# Altium PCB PCB_Template.PcbDoc (part 3 of 6)
Units mm, origin at the board's own origin, x right, y up, seen from the top; angles counter-clockwise.
Board outline 93 x 50 mm, 4 copper layers (Top Layer, Int1 (GND), Int2 (PWR), Bottom Layer), stack 1.369 mm thick; 176 components, 236 nets, 978 pads, 657 vias.
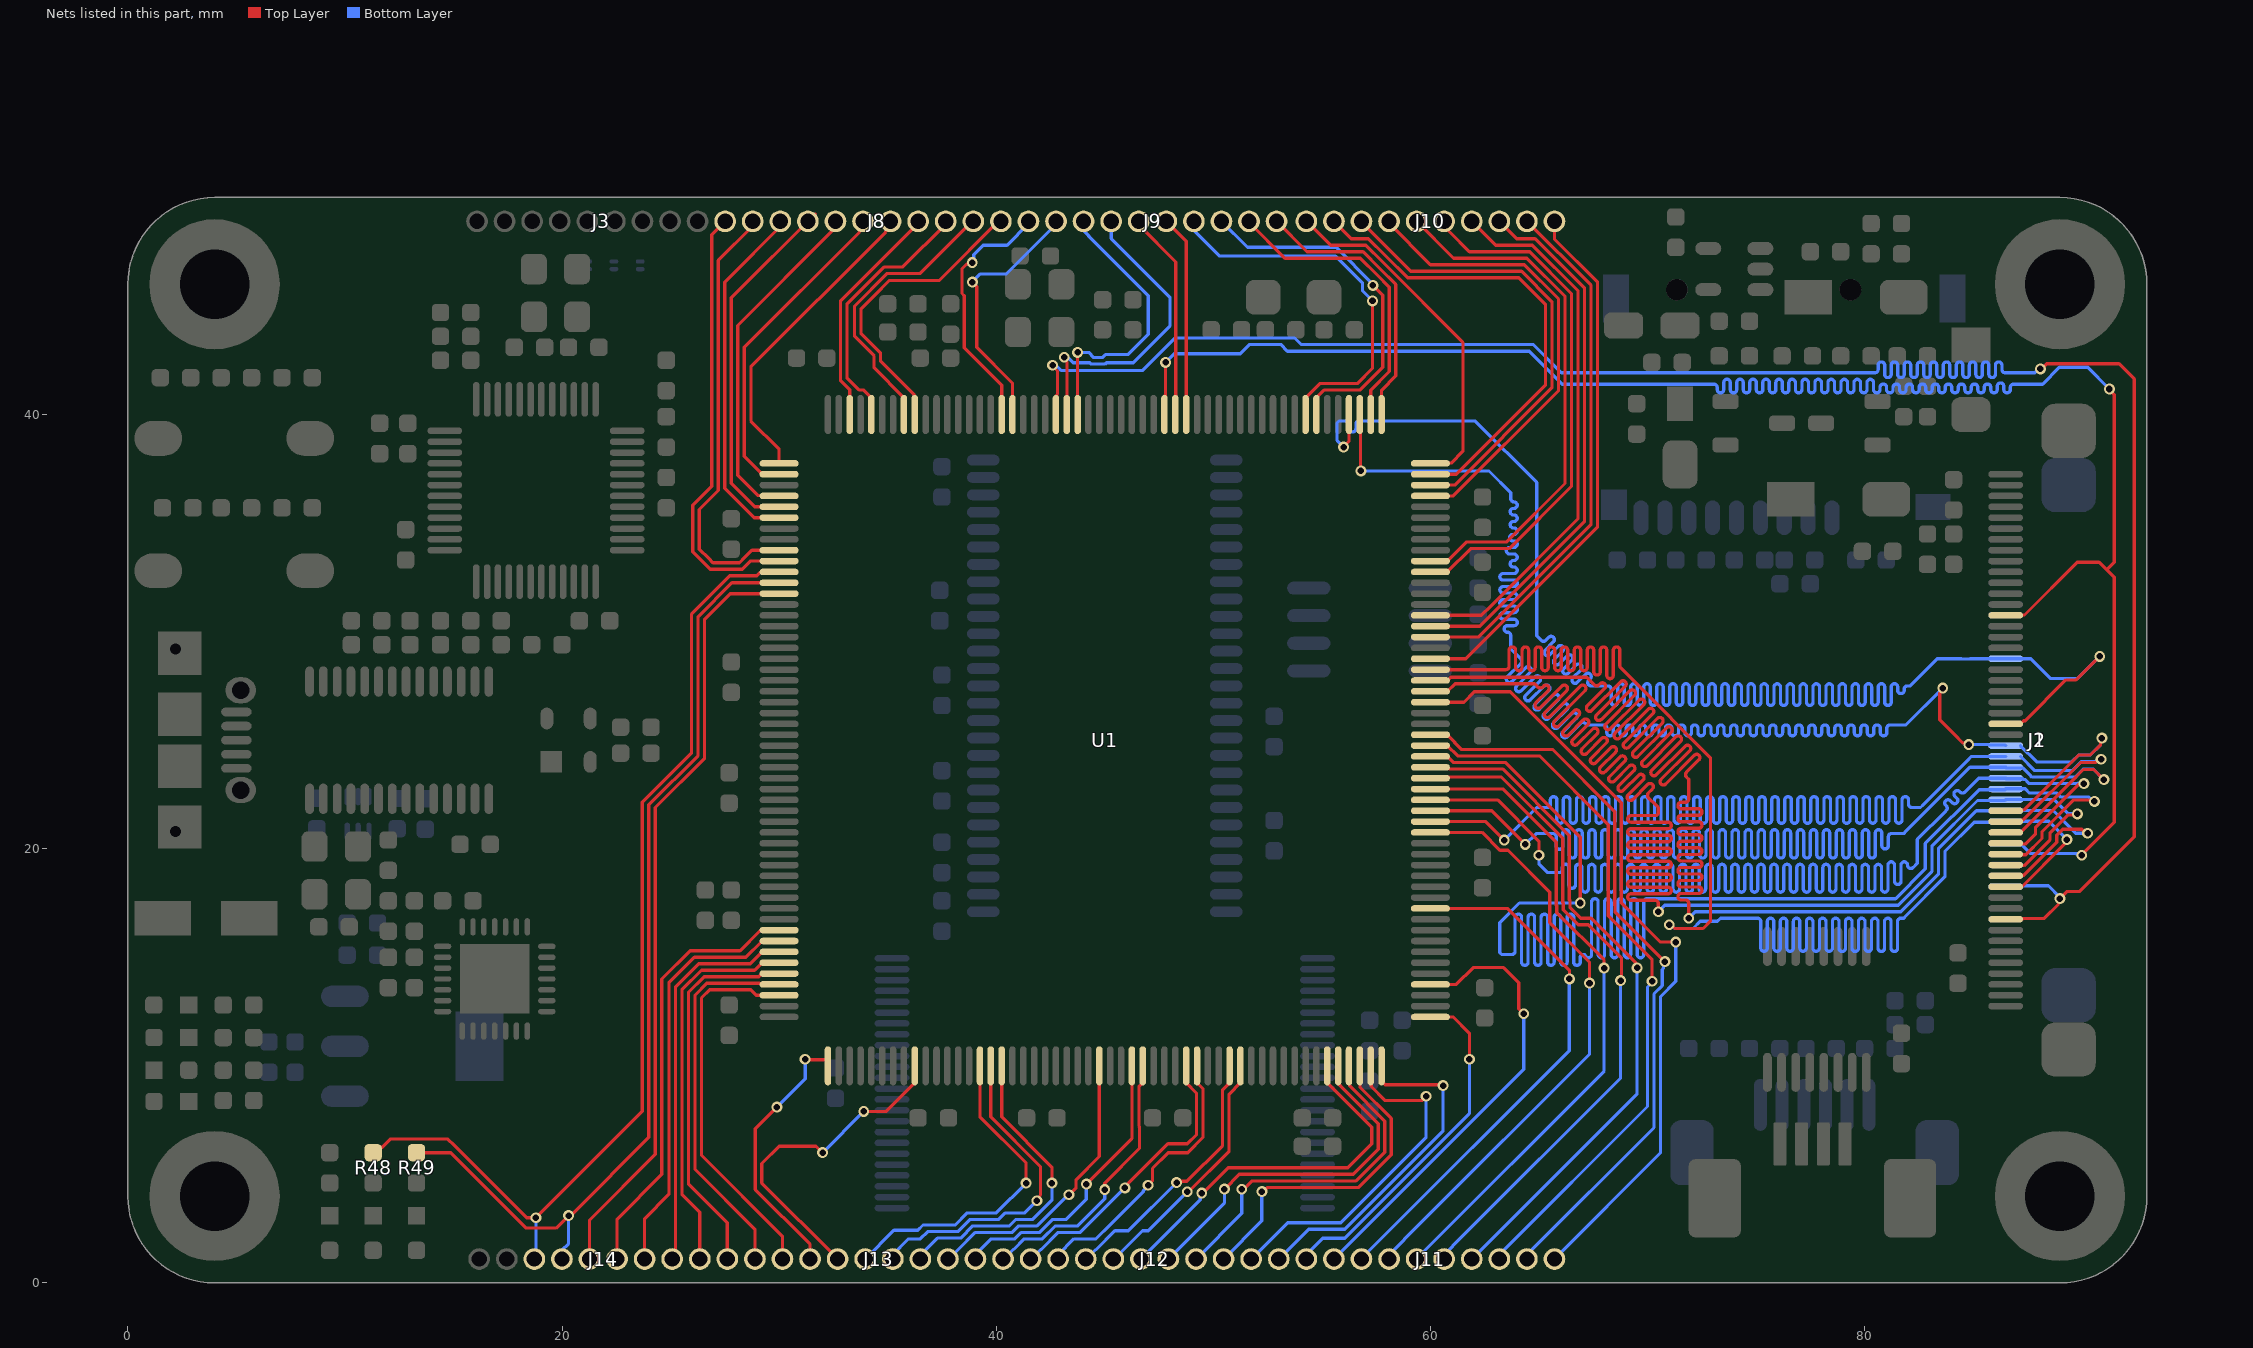
[diagram p5: the nets of this part, all layers, seen from the top]

## Via types
v1: diameter 0.5, hole 0.3, Top Layer to Bottom Layer, tented both sides, 457 vias
v2: diameter 0.5/0.5 (per signal layer), hole 0.3, Top Layer to Bottom Layer, tented both sides, 152 vias
v3: diameter 0.8, hole 0.5, Top Layer to Bottom Layer, 32 vias
v4: diameter 0.7/0.5 (per signal layer), hole 0.5, Top Layer to Bottom Layer, tented both sides, 9 vias
v5: diameter 0.3, hole 0.2, Top Layer to Bottom Layer, tented both sides, 7 vias

## Nets (pads, with @x,y where several pads share a name; then routed paths per layer and width w, separated by ;. In a path a pad name is that pad's centre, name@x,y a point inside that pad or via, vN(x,y) a via of type N, cw(c..) or ccw(c..) an arc to the next point about the centre after c; other vN are vias at no path point) (continued)
HEADER0: J3.10 U1.62 | length 20.3
  Top Layer w0.15: J3.10@27.515,48.9 26.9,48.285 26.9,36.7 26.025,35.825 26.025,33.675 26.825,32.875 28.3,32.875 28.675,33.25 U1.62@30,33.25
HEADER1: J8.1 U1.61 | length 20.3
  Top Layer w0.15: J8.1@28.785,48.9 28.785,48.685 27.2,47.1 27.2,36.5 26.325,35.625 26.325,33.799 26.749,33.375 26.949,33.175 28.176,33.175 28.425,33.424 28.749,33.748 29.999,33.748 U1.61@30,33.75
HEADER2: J8.2 U1.58 | length 16.3
  Top Layer w0.15: U1.58@30,35.25 28.85,35.25 27.5,36.6 27.5,46.1 J8.2@30.178,48.777
HEADER3: J8.3 U1.57 | length 16.7
  Top Layer w0.15: U1.57@30,35.75 28.875,35.75 27.8,36.825 27.8,45.375 J8.3@31.662,49.237
HEADER4: J8.4 U1.56 | length 15.7
  Top Layer w0.15: U1.56@30,36.25 29.985,36.265 29.035,36.265 28.1,37.2 28.1,44.1 32.432,48.432 32.432,48.507 32.593,48.668 J8.4@32.668,48.668
HEADER5: J8.5 U1.54 | length 15
  Top Layer w0.15: U1.54@30,37.25 29.22,37.25 28.4,38.069 28.4,43.1 33.702,48.402 33.702,48.737 J8.5@33.865,48.9
HEADER6: J8.6 U1.53 | length 14.4
  Top Layer w0.15: U1.53@30,37.75 30,38.4 28.7,39.7 28.7,42.2 34.905,48.405 34.905,48.44 35.135,48.67 J8.6@35.135,48.9
HEADER7: J8.7 U1.50 | length 10.6
  Top Layer w0.15: U1.50@33.25,40 33.25,41.15 32.825,41.575 32.825,45.225 36.405,48.805 J8.7@36.405,48.9
HEADER8: J8.8 U1.48 | length 11.9
  Top Layer w0.15: U1.48@34.25,40 34.25,40.78 33.905,41.125 33.699,41.125 33.125,41.699 33.125,45.075 34.85,46.8 35.7,46.8 37.675,48.775 J8.8@37.675,48.9
HEADER9: J8.9 U1.45 | length 13
  Top Layer w0.15: U1.45@35.75,40 35.75,40.78 34.375,42.155 34.375,42.7 33.475,43.6 33.475,45 34.975,46.5 36.5,46.5 J8.9@38.923,48.923
HEADER10: J8.10 U1.44 | length 14
  Top Layer w0.15: U1.44@36.25,40 36.221,40.029 36.221,40.903 34.675,42.449 34.675,42.824 33.775,43.724 33.775,44.876 34.375,45.476 35.074,46.175 37.375,46.175 38.525,47.325 38.975,47.775 40.1,48.9 J8.10@40.215,48.9
HEADER11: J9.1 U1.36 | length 11.7
  Top Layer w0.15: v1(38.9,47) 38.833,46.933 38.633,46.933 38.425,46.725 38.425,45.576 38.525,45.476 38.525,43.075 40.25,41.35 U1.36@40.25,40
  Bottom Layer w0.15: v1(38.9,47) 38.967,47.067 38.967,47.367 39.4,47.8 40.5,47.8 41.485,48.785 J9.1@41.485,48.9
HEADER12: J9.2 U1.35 | length 12
  Top Layer w0.15: v1(38.9,46.1) 39.1,45.9 39.1,43.1 40.75,41.45 U1.35@40.75,40
  Bottom Layer w0.15: v1(38.9,46.1) 39.275,46.475 40.475,46.475 42.755,48.755 J9.2@42.755,48.9
HEADER13: J9.3 U1.29 | length 13.1
  Top Layer w0.15: v1(43.745,42.86) 43.75,42.855 U1.29@43.75,40
  Bottom Layer w0.15: v1(43.745,42.86) 44.26,42.86 44.497,42.623 44.89,42.623 45.029,42.762 46.062,42.762 47,43.7 47,45.472 44.261,48.211 44.261,48.234 44.025,48.47 J9.3@44.025,48.9
HEADER14: J9.4 U1.30 | length 14.1
  Top Layer w0.15: U1.30@43.25,40 43.266,40.016 43.266,42.413
  Bottom Layer w0.15: v1(43.134,42.639) 43.201,42.572 43.361,42.572 43.549,42.385 44.311,42.385 44.373,42.323 45.015,42.323 45.076,42.385 46.311,42.385 48,44.073 48,45.4 45.295,48.105 J9.4@45.295,48.9
HEADER15: J9.5 U1.20 | length 9.6
  Top Layer w0.15: J9.5@46.565,48.9 46.565,48.735 48.275,47.025 48.275,40.025 U1.20@48.25,40
HEADER16: J9.6 U1.19 | length 9.4
  Top Layer w0.15: J9.6@47.768,48.967 48.75,47.985 U1.19@48.75,40
HEADER17: J9.7 U1.8 | length 17.7
  Top Layer w0.15: U1.8@54.25,40 54.25,40.78 54.895,41.425 56.625,41.425 57.333,42.133 v1(57.333,45.233)
  Bottom Layer w0.15: J9.7@49.105,48.9 49.105,48.495 50.3,47.3 55.63,47.3 56.876,46.054 56.876,45.69 v1(57.333,45.233)
HEADER18: J9.8 U1.7 | length 16.6
  Top Layer w0.15: U1.7@54.75,40 54.75,40.78 55.095,41.125 56.749,41.125 57.808,42.184 57.808,45.495 v1(57.351,45.951)
  Bottom Layer w0.15: J9.8@50.375,48.9 51.575,47.7 55.655,47.7 57.351,46.003 v1(57.351,45.951)
HEADER19: J9.9 U1.2 | length 14
  Top Layer w0.15: J9.9@51.645,48.9 51.645,48.855 53.3,47.2 56.775,47.2 57.548,46.426 58.108,45.867 58.108,41.983 57.25,41.125 U1.2@57.25,40
HEADER20: J9.10 U1.1 | length 13
  Top Layer w0.15: J9.10@52.915,48.9 54.315,47.5 56.899,47.5 57.672,46.726 58.408,45.991 58.408,41.783 57.75,41.125 U1.1@57.75,40
HEADER21: J10.1 U1.208 | length 16.3
  Top Layer w0.15: J10.1@54.285,48.9 54.31,48.9 55.41,47.8 56.865,47.8 57.023,47.8 57.797,47.026 61.5,43.323 61.5,38.3 60.965,37.765 60.015,37.765 U1.208@60,37.75
HEADER22: J10.2 U1.207 | length 22.1
  Top Layer w0.15: J10.2@55.555,48.9 56.355,48.1 57.147,48.1 57.921,47.326 58.947,46.3 64.075,46.3 65.3,45.075 65.3,41.349 61.201,37.25 U1.207@60,37.25
HEADER23: J10.3 U1.206 | length 21.8
  Top Layer w0.15: J10.3@56.825,48.9 56.825,48.875 59.1,46.6 64.199,46.6 65.6,45.199 65.6,41.224 61.125,36.75 U1.206@60,36.75
HEADER24: J10.4 U1.205 | length 21.5
  Top Layer w0.15: J10.4@58.095,48.9 58.095,48.805 60,46.9 64.324,46.9 65.9,45.324 65.9,41.1 61.05,36.25 U1.205@60,36.25
HEADER25: J10.5 U1.199 | length 24.6
  Top Layer w0.15: J10.5@59.365,48.9 61.065,47.2 64.448,47.2 66.2,45.448 66.2,36.824 63.501,34.125 61.656,34.125 60.78,33.25 U1.199@60,33.25
HEADER26: J10.6 U1.198 | length 24.4
  Top Layer w0.15: U1.198@60,32.75 60.78,32.75 61.856,33.825 62.876,33.825 63.625,33.825 66.5,36.7 66.5,45.572 64.572,47.5 61.8,47.5 60.88,48.42 60.88,48.425 60.635,48.67 J10.6@60.635,48.9
HEADER27: J10.7 U1.194 | length 25.4
  Top Layer w0.15: U1.194@60,30.75 62.351,30.75 62.776,31.175 66.8,35.199 66.8,45.696 64.696,47.8 63.005,47.8 J10.7@61.905,48.9
HEADER28: J10.8 U1.193 | length 25
  Top Layer w0.15: U1.193@60,30.25 61.153,30.25 62.275,30.25 67.1,35.075 67.1,45.821 64.821,48.1 63.975,48.1 J10.8@63.175,48.9
HEADER29: J10.9 U1.192 | length 24.7
  Top Layer w0.15: U1.192@60,29.75 61.078,29.75 62.199,29.75 67.4,34.95 67.4,45.945 J10.9@64.445,48.9
HEADER30: J10.10 U1.190 | length 25.1
  Top Layer w0.15: U1.190@60,28.75 61.623,28.75 67.7,34.826 67.7,46.1 65.715,48.085 J10.10@65.715,48.9
HEADER31: J14.8 R48.2 U1.63 | length 46.8
  Top Layer w0.15: R48.2@11.3,5.932 11.615,6.248 11.715,6.248 12.093,6.625 14.747,6.625 15.036,6.336 18.372,3 v1(18.8,3) 23.7,7.9 23.7,22.149 25.967,24.416 25.967,30.816 27.726,32.575 28.969,32.575 29.115,32.721 29.971,32.721 U1.63@30,32.75
  Bottom Layer w0.15: J14.8@18.725,1.1 18.8,1.175 v1(18.8,3)
HEADER32: J14.7 R49.2 U1.64 | length 45.2
  Top Layer w0.15: R49.2@13.4,6 14.872,6 18.347,2.525 19.725,2.525 v1(20.3,3.1) 20.395,3.1 20.531,3.236 20.536,3.236 24,6.7 24,22.024 26.267,24.292 26.267,30.692 27.825,32.25 U1.64@30,32.25
  Bottom Layer w0.15: J14.7@19.995,1.1 19.995,1.508 20.3,1.813 v1(20.3,3.1)
HEADER33: J14.6 U1.65 | length 35.6
  Top Layer w0.15: J14.6@21.265,1.1 21.265,2.884 24.3,5.919 24.3,21.9 26.567,24.167 26.567,30.567 27.75,31.75 U1.65@30,31.75
HEADER34: J14.5 U1.96 | length 20.1
  Top Layer w0.15: J14.5@22.535,1.1 22.535,2.936 24.6,5.001 24.6,14 25.9,15.3 28.2,15.3 29.121,16.221 29.971,16.221 U1.96@30,16.25
HEADER35: J14.4 U1.97 | length 19.1
  Top Layer w0.15: J14.4@23.805,1.1 23.805,2.96 24.925,4.08 24.925,13.825 26.1,15 28.47,15 29.22,15.75 U1.97@30,15.75
HEADER36: J14.3 U1.98 | length 17.9
  Top Layer w0.15: J14.3@25.225,1.141 25.225,13.625 26.3,14.7 28.67,14.7 29.22,15.25 U1.98@30,15.25
HEADER37: J14.2 U1.99 | length 17.7
  Top Layer w0.15: J14.2@26.345,1.1 26.345,3.255 25.525,4.075 25.525,13.501 26.424,14.4 28.87,14.4 29.22,14.75 U1.99@30,14.75
HEADER38: J14.1 U1.100 | length 17.6
  Top Layer w0.15: J14.1@27.615,1.1 27.615,2.78 25.825,4.57 25.825,13.376 26.549,14.1 29.06,14.1 29.209,14.25 U1.100@30,14.25
HEADER39: J13.10 U1.134 | length 12.7
  Top Layer w0.15: v1(45,4.3) 45,4.6 46.6,6.2 46.6,7.199 46.575,7.224 46.575,9.045 46.75,9.22 U1.134@46.75,10
  Bottom Layer w0.15: J13.10@40.315,1.1 40.345,1.1 40.785,1.54 40.8,1.54 41.285,2.025 42.13,2.025 42.73,2.625 43.752,2.625 45,3.873 v1(45,4.3)
HEADER40: J13.9 U1.133 | length 13.4
  Top Layer w0.15: v1(44.153,4.553) 46.25,6.651 U1.133@46.25,10
  Bottom Layer w0.15: J13.9@39.045,1.1 39.045,1.3 39.77,2.025 40.86,2.025 41.16,2.325 42.006,2.325 42.606,2.925 43.225,2.925 44.153,3.853 v1(44.153,4.553)
HEADER41: J13.8 U1.130 | length 13.3
  Top Layer w0.15: v1(43.348,4.058) 43.678,4.387 43.678,4.75 44.75,5.823 U1.130@44.75,10
  Bottom Layer w0.15: J13.8@37.775,1.1 37.805,1.1 38.245,1.54 38.26,1.54 39.045,2.325 40.736,2.325 41.036,2.625 41.882,2.625 43.315,4.058 v1(43.348,4.058)
HEADER42: J13.7 U1.121 | length 14.4
  Top Layer w0.15: U1.121@40.25,10 40.25,7.65 42.565,5.335 v1(42.565,4.597)
  Bottom Layer w0.15: J13.7@36.505,1.1 36.505,1.278 37.293,2.067 38.362,2.067 38.92,2.625 40.612,2.625 40.912,2.925 41.687,2.925 42.565,3.803 v1(42.565,4.597)
HEADER43: J13.6 U1.120 | length 15.1
  Top Layer w0.15: U1.120@39.75,10 39.75,7.65 42.04,5.36 42.04,4.045 41.875,3.879 v1(41.875,3.785)
  Bottom Layer w0.15: J13.6@35.235,1.1 35.235,1.3 35.96,2.025 36.505,2.025 36.847,2.367 38.238,2.367 38.796,2.925 40.125,2.925 40.425,3.225 41.315,3.225 v1(41.875,3.785)
HEADER44: J13.5 U1.119 | length 15.1
  Top Layer w0.15: U1.119@39.25,10 39.25,7.65 41.376,5.524 v1(41.376,4.6)
  Bottom Layer w0.15: J13.5@33.965,1.1 35.29,2.425 36.386,2.425 36.627,2.667 38.113,2.667 38.672,3.225 40.001,3.225 v1(41.376,4.6)
HEADER45: J13.4 U1.113 | length 15.5
  Top Layer w0.15: v1(32,6) 31.7,6.3 30,6.3 29.2,5.5 29.2,4.6 32.695,1.105 J13.4@32.695,1.1 ; v1(33.9,7.9) 34.93,7.9 36.25,9.22 U1.113@36.25,10
  Bottom Layer w0.15: v1(32,6) v1(33.9,7.9)
HEADER46: J13.3 U1.105 | length 12.5
  Top Layer w0.15: v1(29.9,8.1) 28.9,7.1 28.9,4.3 31.425,1.775 J13.3@31.425,1.1 ; v1(31.2,10.3) 31.218,10.282 31.554,10.282 31.561,10.274 32.181,10.274 32.25,10.205 U1.105@32.25,10
  Bottom Layer w0.15: v1(29.9,8.1) 31.2,9.4 v1(31.2,10.3)
HEADER47: J13.2 U1.102 | length 17.4
  Top Layer w0.15: U1.102@30,13.25 28.95,13.25 28.7,13.5 26.797,13.5 26.425,13.128 26.425,5.875 30.155,2.145 J13.2@30.155,1.1
HEADER48: J13.1 U1.101 | length 17.4
  Top Layer w0.15: J13.1@28.885,1.1 28.885,2.475 26.125,5.235 26.125,13.252 26.673,13.8 29.093,13.8 29.115,13.778 29.971,13.778 U1.101@30,13.75
HEADER49: J12.10 U1.156 | length 15.7
  Top Layer w0.15: U1.156@57.75,10 57.75,9.29 57.913,9.127 60.545,9.127 v1(60.586,9.086)
  Bottom Layer w0.15: J12.10@53.015,1.1 54.39,2.475 56.051,2.475 60.586,7.01 v1(60.586,9.086)
HEADER50: J12.9 U1.155 | length 16.1
  Top Layer w0.15: U1.155@57.25,10 57.277,9.973 57.277,9.047 57.924,8.4 59.6,8.4 v1(59.8,8.6)
  Bottom Layer w0.15: J12.9@51.745,1.1 53.42,2.775 55.875,2.775 59.8,6.7 v1(59.8,8.6)
HEADER51: J12.8 U1.154 | length 15.2
  Top Layer w0.15: v1(52.237,4.209) 52.31,4.209 52.5,4.4 56.7,4.4 58.2,5.9 58.2,7.578 56.754,9.024 56.754,9.996 U1.154@56.75,10
  Bottom Layer w0.15: J12.8@50.475,1.1 52.237,2.862 v1(52.237,4.209)
HEADER52: J12.7 U1.153 | length 16
  Top Layer w0.15: v1(51.31,4.316) 51.405,4.316 51.538,4.449 51.549,4.449 51.8,4.7 56.576,4.7 57.9,6.024 57.9,7.454 56.279,9.075 56.279,9.971 U1.153@56.25,10
  Bottom Layer w0.15: J12.7@49.205,1.1 51.31,3.205 v1(51.31,4.316)
HEADER53: J12.6 U1.152 | length 16.8
  Top Layer w0.15: v1(50.511,4.322) 50.522,4.322 51.2,5 56.451,5 57.6,6.149 57.6,7.329 55.825,9.104 55.825,9.134 55.75,9.209 U1.152@55.75,10
  Bottom Layer w0.15: J12.6@47.935,1.1 50.511,3.676 v1(50.511,4.322)
HEADER54: J12.5 U1.151 | length 17.4
  Top Layer w0.15: v1(49.466,4.138) 49.524,4.138 50.686,5.3 56.2,5.3 57.3,6.4 57.3,7.172 56.675,7.797 55.98,8.491 55.978,8.491 55.25,9.22 U1.151@55.25,10
  Bottom Layer w0.15: J12.5@46.665,1.1 49.399,3.834 49.399,4.071 v1(49.466,4.138)
HEADER55: J12.4 U1.143 | length 11.5
  Top Layer w0.15: v1(48.8,4.2) 48.857,4.2 50.725,6.068 50.725,8.695 51.25,9.22 U1.143@51.25,10
  Bottom Layer w0.15: J12.4@45.395,1.1 45.425,1.1 45.865,1.54 45.88,1.54 46.74,2.4 47,2.4 v1(48.8,4.2)
HEADER56: J12.3 U1.142 | length 12.3
  Top Layer w0.15: v1(48.308,4.625) 48.369,4.685 48.783,4.685 50.425,6.327 50.425,8.895 50.75,9.22 U1.142@50.75,10
  Bottom Layer w0.15: J12.3@44.125,1.1 44.155,1.1 44.595,1.54 44.61,1.54 45.47,2.4 46.083,2.4 v1(48.308,4.625)
HEADER57: J12.2 U1.139 | length 12.9
  Top Layer w0.15: v1(47,4.5) 47.2,4.7 47.2,5.276 47.924,6 48.825,6 49.525,6.7 49.525,8.945 49.25,9.22 U1.139@49.25,10
  Bottom Layer w0.15: J12.2@42.855,1.1 42.855,1.3 43.58,2.025 44.597,2.025 45.272,2.7 46.775,4.203 46.775,4.237 47,4.462 v1(47,4.5)
HEADER58: J12.1 U1.138 | length 13.4
  Top Layer w0.15: v1(45.925,4.373) 45.925,4.425 47.909,6.409 48.809,6.409 49.225,6.824 49.225,8.745 48.75,9.22 U1.138@48.75,10
  Bottom Layer w0.15: J12.1@41.585,1.1 41.615,1.1 42.055,1.54 42.07,1.54 42.855,2.325 43.876,2.325 v1(45.925,4.373)
HEADER59: J11.10 U1.186 | length 35.9
  Top Layer w0.15: U1.186@60,26.75 61.548,26.75 62.024,27.225 63.687,27.225 68.789,22.123 68.789,17.511 70.6,15.7 v1(71.3,15.7)
  Bottom Layer w0.15: J11.10@65.7,1.1 70.6,6 70.6,13.189 71.3,13.889 v1(71.3,15.7)
HEADER60: J11.9 U1.183 | length 34
  Top Layer w0.15: U1.183@60,25.25 60.78,25.25 61.125,24.905 61.125,24.875 61.425,24.575 62.776,24.575 65.625,24.575 68.489,21.711 68.489,17.387 68.5,17.376 68.5,17.1 v1(70.8,14.8)
  Bottom Layer w0.15: J11.9@64.445,1.3 70.3,7.155 70.3,13.313 70.684,13.697 70.684,14.437 70.733,14.486 70.733,14.733 v1(70.8,14.8)
HEADER61: J11.8 U1.182 | length 33.4
  Top Layer w0.15: U1.182@60,24.75 60.78,24.75 61.255,24.275 65.025,24.275 68.189,21.111 68.189,16.911 70.209,14.891 v1(70.209,13.894)
  Bottom Layer w0.15: J11.8@63.1,1.225 70,8.125 70,13.631 70.209,13.841 v1(70.209,13.894)
HEADER62: J11.7 U1.180 | length 31.9
  Top Layer w0.15: U1.180@60,23.75 60.791,23.75 60.865,23.675 63.324,23.675 66.4,20.599 66.4,17.649 66.425,17.624 66.425,17.303 66.928,16.8 67.4,16.8 69.455,14.745 69.455,14.58 v1(69.522,14.513)
  Bottom Layer w0.15: J11.7@61.905,1.1 69.522,8.717 v1(69.522,14.513)
HEADER63: J11.6 U1.179 | length 31
  Top Layer w0.15: U1.179@60.4,23.3 63.274,23.3 66.1,20.474 66.1,17.524 66.125,17.499 66.125,17.179 66.804,16.5 67.276,16.5 68.8,14.976 68.8,13.967 v1(68.758,13.925)
  Bottom Layer w0.15: J11.6@60.7,1.135 60.7,1.365 61.36,2.025 68.758,9.423 v1(68.758,13.925)
HEADER64: J11.5 U1.178 | length 30.5
  Top Layer w0.15: U1.178@60,22.75 63.35,22.75 65.8,20.3 65.8,17.4 65.825,17.375 65.825,17.055 68,14.88 v1(68,14.5)
  Bottom Layer w0.15: J11.5@59.365,1.1 59.365,1.125 68,9.76 v1(68,14.5)
HEADER65: J11.4 U1.174 | length 28.1
  Top Layer w0.15: U1.174@60,20.75 62.379,20.75 63.203,19.925 63.575,19.925 65.5,18 65.5,16.6 67.329,14.771 v1(67.329,13.81)
  Bottom Layer w0.15: J11.4@58.095,1.1 58.095,1.3 59.495,2.7 67.329,10.534 v1(67.329,13.81)
HEADER66: J11.3 U1.167 | length 24.8
  Top Layer w0.15: U1.167@60,17.25 63.55,17.25 66.403,14.397 66.403,14.003 v1(66.4,14)
  Bottom Layer w0.15: J11.3@56.825,1.1 56.825,1.125 57.425,1.725 66.4,10.7 v1(66.4,14)
HEADER67: J11.2 U1.160 | length 21.1
  Top Layer w0.15: U1.160@60,13.75 61.195,13.75 61.97,14.525 63.371,14.525 64.075,13.821 64.075,12.625 v1(64.3,12.4)
  Bottom Layer w0.15: J11.2@55.555,1.1 64.3,9.845 v1(64.3,12.4)
HEADER68: J11.1 U1.157 | length 16.2
  Top Layer w0.15: U1.157@60,12.25 61.05,12.25 61.8,11.5 v1(61.8,10.3)
  Bottom Layer w0.15: J11.1@54.285,1.1 54.285,1.3 55.014,2.029 55.039,2.054 56.054,2.054 61.8,7.8 v1(61.8,10.3)
LCD_B0: J1.19 J2.21 U1.3 | length 95.5
  Top Layer w0.15: U1.3@56.75,40 56.779,39.971 56.779,37.421 v1(56.8,37.4) ; v1(83.6,27.4) 83.6,27.305 83.467,27.172 83.467,25.933 84.103,25.297 84.533,24.867 84.733,24.867 v1(84.8,24.8) ; J1.19@85.82,21.75 J1.19@86.5,21.75 86.529,21.779 87.325,21.779 89.865,24.318 90.403,24.318 90.872,24.786 90.872,25.034 v1(90.934,25.096)
  Bottom Layer w0.15: v1(56.8,37.4) 62.7,37.4 63.7,36.4 63.7,36.2 63.7,36.125 ccw(c63.85,36.125) 63.85,35.975 cw(c63.85,35.825) 63.85,35.675 63.825,35.675 ccw(c63.825,35.525) 63.825,35.375 63.85,35.375 cw(c63.85,35.225) 63.85,35.075 63.825,35.075 ccw(c63.825,34.925) 63.825,34.775 63.85,34.775 cw(c63.85,34.625) 63.85,34.475 63.797,34.475 ccw(c63.797,34.325) 63.797,34.175 63.85,34.175 cw(c63.85,34.025) 63.85,33.875 63.647,33.875 ccw(c63.647,33.725) 63.647,33.575 63.85,33.575 cw(c63.85,33.425) 63.85,33.275 63.825,33.275 ccw(c63.825,33.125) 63.825,32.975 63.85,32.975 cw(c63.85,32.825) 63.85,32.675 63.35,32.675 ccw(c63.35,32.525) 63.35,32.375 63.85,32.375 cw(c63.85,32.225) 63.85,32.075 63.35,32.075 ccw(c63.35,31.925) 63.35,31.775 63.85,31.775 cw(c63.85,31.625) 63.85,31.475 63.35,31.475 ccw(c63.35,31.325) 63.35,31.175 63.85,31.175 cw(c63.85,31.025) 63.85,30.875 63.35,30.875 ccw(c63.35,30.725) 63.35,30.575 63.85,30.575 cw(c63.85,30.425) 63.85,30.275 63.547,30.275 ccw(c63.547,30.125) 63.547,29.975 63.55,29.975 cw(c63.55,29.825) 63.7,29.825 63.7,29.438 63.7,29.2 63.9,29 64.158,28.742 cw(c64.052,28.636) 64.158,28.53 63.542,27.913 ccw(c63.648,27.807) 63.542,27.701 ccw(c63.648,27.807) 63.754,27.701 64.396,28.343 cw(c64.502,28.237) 64.608,28.343 cw(c64.502,28.237) 64.608,28.131 63.966,27.489 ccw(c64.072,27.383) 63.966,27.277 ccw(c64.072,27.383) 64.178,27.277 64.82,27.919 cw(c64.926,27.813) 65.032,27.919 cw(c64.926,27.813) 65.032,27.707 ; 65.032,27.707 64.39,27.065 ccw(c64.496,26.959) 64.39,26.853 ccw(c64.496,26.959) 64.602,26.853 65.244,27.495 cw(c65.35,27.389) 65.457,27.495 cw(c65.35,27.389) 65.457,27.283 64.814,26.641 ccw(c64.92,26.535) 64.814,26.428 ccw(c64.92,26.535) 65.026,26.428 65.669,27.071 cw(c65.775,26.965) 65.881,27.071 cw(c65.775,26.965) 65.881,26.859 65.239,26.216 ccw(c65.345,26.11) 65.239,26.004 ccw(c65.345,26.11) 65.451,26.004 66.093,26.646 cw(c66.199,26.54) 66.305,26.646 cw(c66.199,26.54) 66.305,26.434 65.663,25.792 ccw(c65.769,25.686) 65.663,25.58 ccw(c65.769,25.686) 65.875,25.58 66.517,26.222 cw(c66.623,26.116) 66.729,26.222 cw(c66.623,26.116) 66.729,26.01 66.087,25.368 ccw(c66.193,25.262) 66.087,25.156 ccw(c66.193,25.262) 66.299,25.156 66.916,25.772 cw(c67.022,25.666) 67.128,25.772 67.181,25.719 67.2,25.7 67.6,25.7 67.975,25.7 cw(c67.975,25.55) 68.125,25.55 68.125,25.35 ccw(c68.275,25.35) 68.425,25.35 68.425,25.55 cw(c68.575,25.55) 68.725,25.55 68.725,25.35 ccw(c68.875,25.35) 69.025,25.35 69.025,25.55 cw(c69.175,25.55) 69.325,25.55 69.325,25.35 ccw(c69.475,25.35) 69.625,25.35 69.625,25.55 cw(c69.775,25.55) 69.925,25.55 69.925,25.35 ccw(c70.075,25.35) 70.225,25.35 70.225,25.55 cw(c70.375,25.55) 70.525,25.55 70.525,25.35 ccw(c70.675,25.35) 70.825,25.35 70.825,25.55 cw(c70.975,25.55) 71.125,25.55 71.125,25.35 ccw(c71.275,25.35) 71.425,25.35 71.425,25.55 cw(c71.575,25.55) 71.725,25.55 71.725,25.35 ccw(c71.875,25.35) 72.025,25.35 72.025,25.55 cw(c72.175,25.55) 72.325,25.55 72.325,25.35 ccw(c72.475,25.35) 72.625,25.35 72.625,25.55 cw(c72.775,25.55) 72.925,25.55 72.925,25.35 ccw(c73.075,25.35) 73.225,25.35 73.225,25.55 cw(c73.375,25.55) 73.525,25.55 73.525,25.35 ccw(c73.675,25.35) 73.825,25.35 73.825,25.55 cw(c73.975,25.55) 74.125,25.55 74.125,25.35 ccw(c74.275,25.35) 74.425,25.35 74.425,25.55 cw(c74.575,25.55) 74.725,25.55 74.725,25.35 ccw(c74.875,25.35) 75.025,25.35 75.025,25.55 cw(c75.175,25.55) 75.325,25.55 75.325,25.35 ccw(c75.475,25.35) 75.625,25.35 75.625,25.55 cw(c75.775,25.55) 75.925,25.55 75.925,25.35 ccw(c76.075,25.35) 76.225,25.35 76.225,25.55 cw(c76.375,25.55) 76.525,25.55 76.525,25.35 ccw(c76.675,25.35) 76.825,25.35 76.825,25.55 cw(c76.975,25.55) 77.125,25.55 77.125,25.35 ccw(c77.275,25.35) 77.425,25.35 77.425,25.55 cw(c77.575,25.55) 77.725,25.55 77.725,25.35 ccw(c77.875,25.35) 78.025,25.35 78.025,25.55 cw(c78.175,25.55) 78.325,25.55 78.325,25.35 ccw(c78.475,25.35) 78.625,25.35 78.625,25.55 cw(c78.775,25.55) 78.925,25.55 78.925,25.35 ccw(c79.075,25.35) 79.225,25.35 79.225,25.55 cw(c79.375,25.55) 79.525,25.55 79.525,25.35 ccw(c79.675,25.35) 79.825,25.35 79.825,25.55 cw(c79.975,25.55) 80.125,25.55 80.125,25.35 ccw(c80.275,25.35) 80.425,25.35 80.425,25.55 cw(c80.575,25.55) 80.725,25.55 80.725,25.35 ccw(c80.875,25.35) 81.025,25.35 81.025,25.55 cw(c81.175,25.55) 81.175,25.7 81.5,25.7 81.9,25.7 v1(83.6,27.4) ; v1(84.8,24.8) 85.694,24.8 85.715,24.779 86.471,24.779 J2.21@86.5,24.75 ; J2.21@87.18,24.75 87.934,23.996 89.543,23.996 89.865,24.318 90.403,24.318 90.872,24.786 90.872,25.034 v1(90.934,25.096)
LCD_B1: J1.18 J2.22 U1.175 | length 98.4
  Top Layer w0.15: U1.175@60,21.25 62.55,21.25 v1(63.4,20.4) ; J1.18@86.5,21.25 87.191,21.25 87.265,21.324 87.306,21.324 89.953,23.972 90.656,23.972 90.803,24.118 v1(90.897,24.118)